# KiCad board board.kicad_pcb
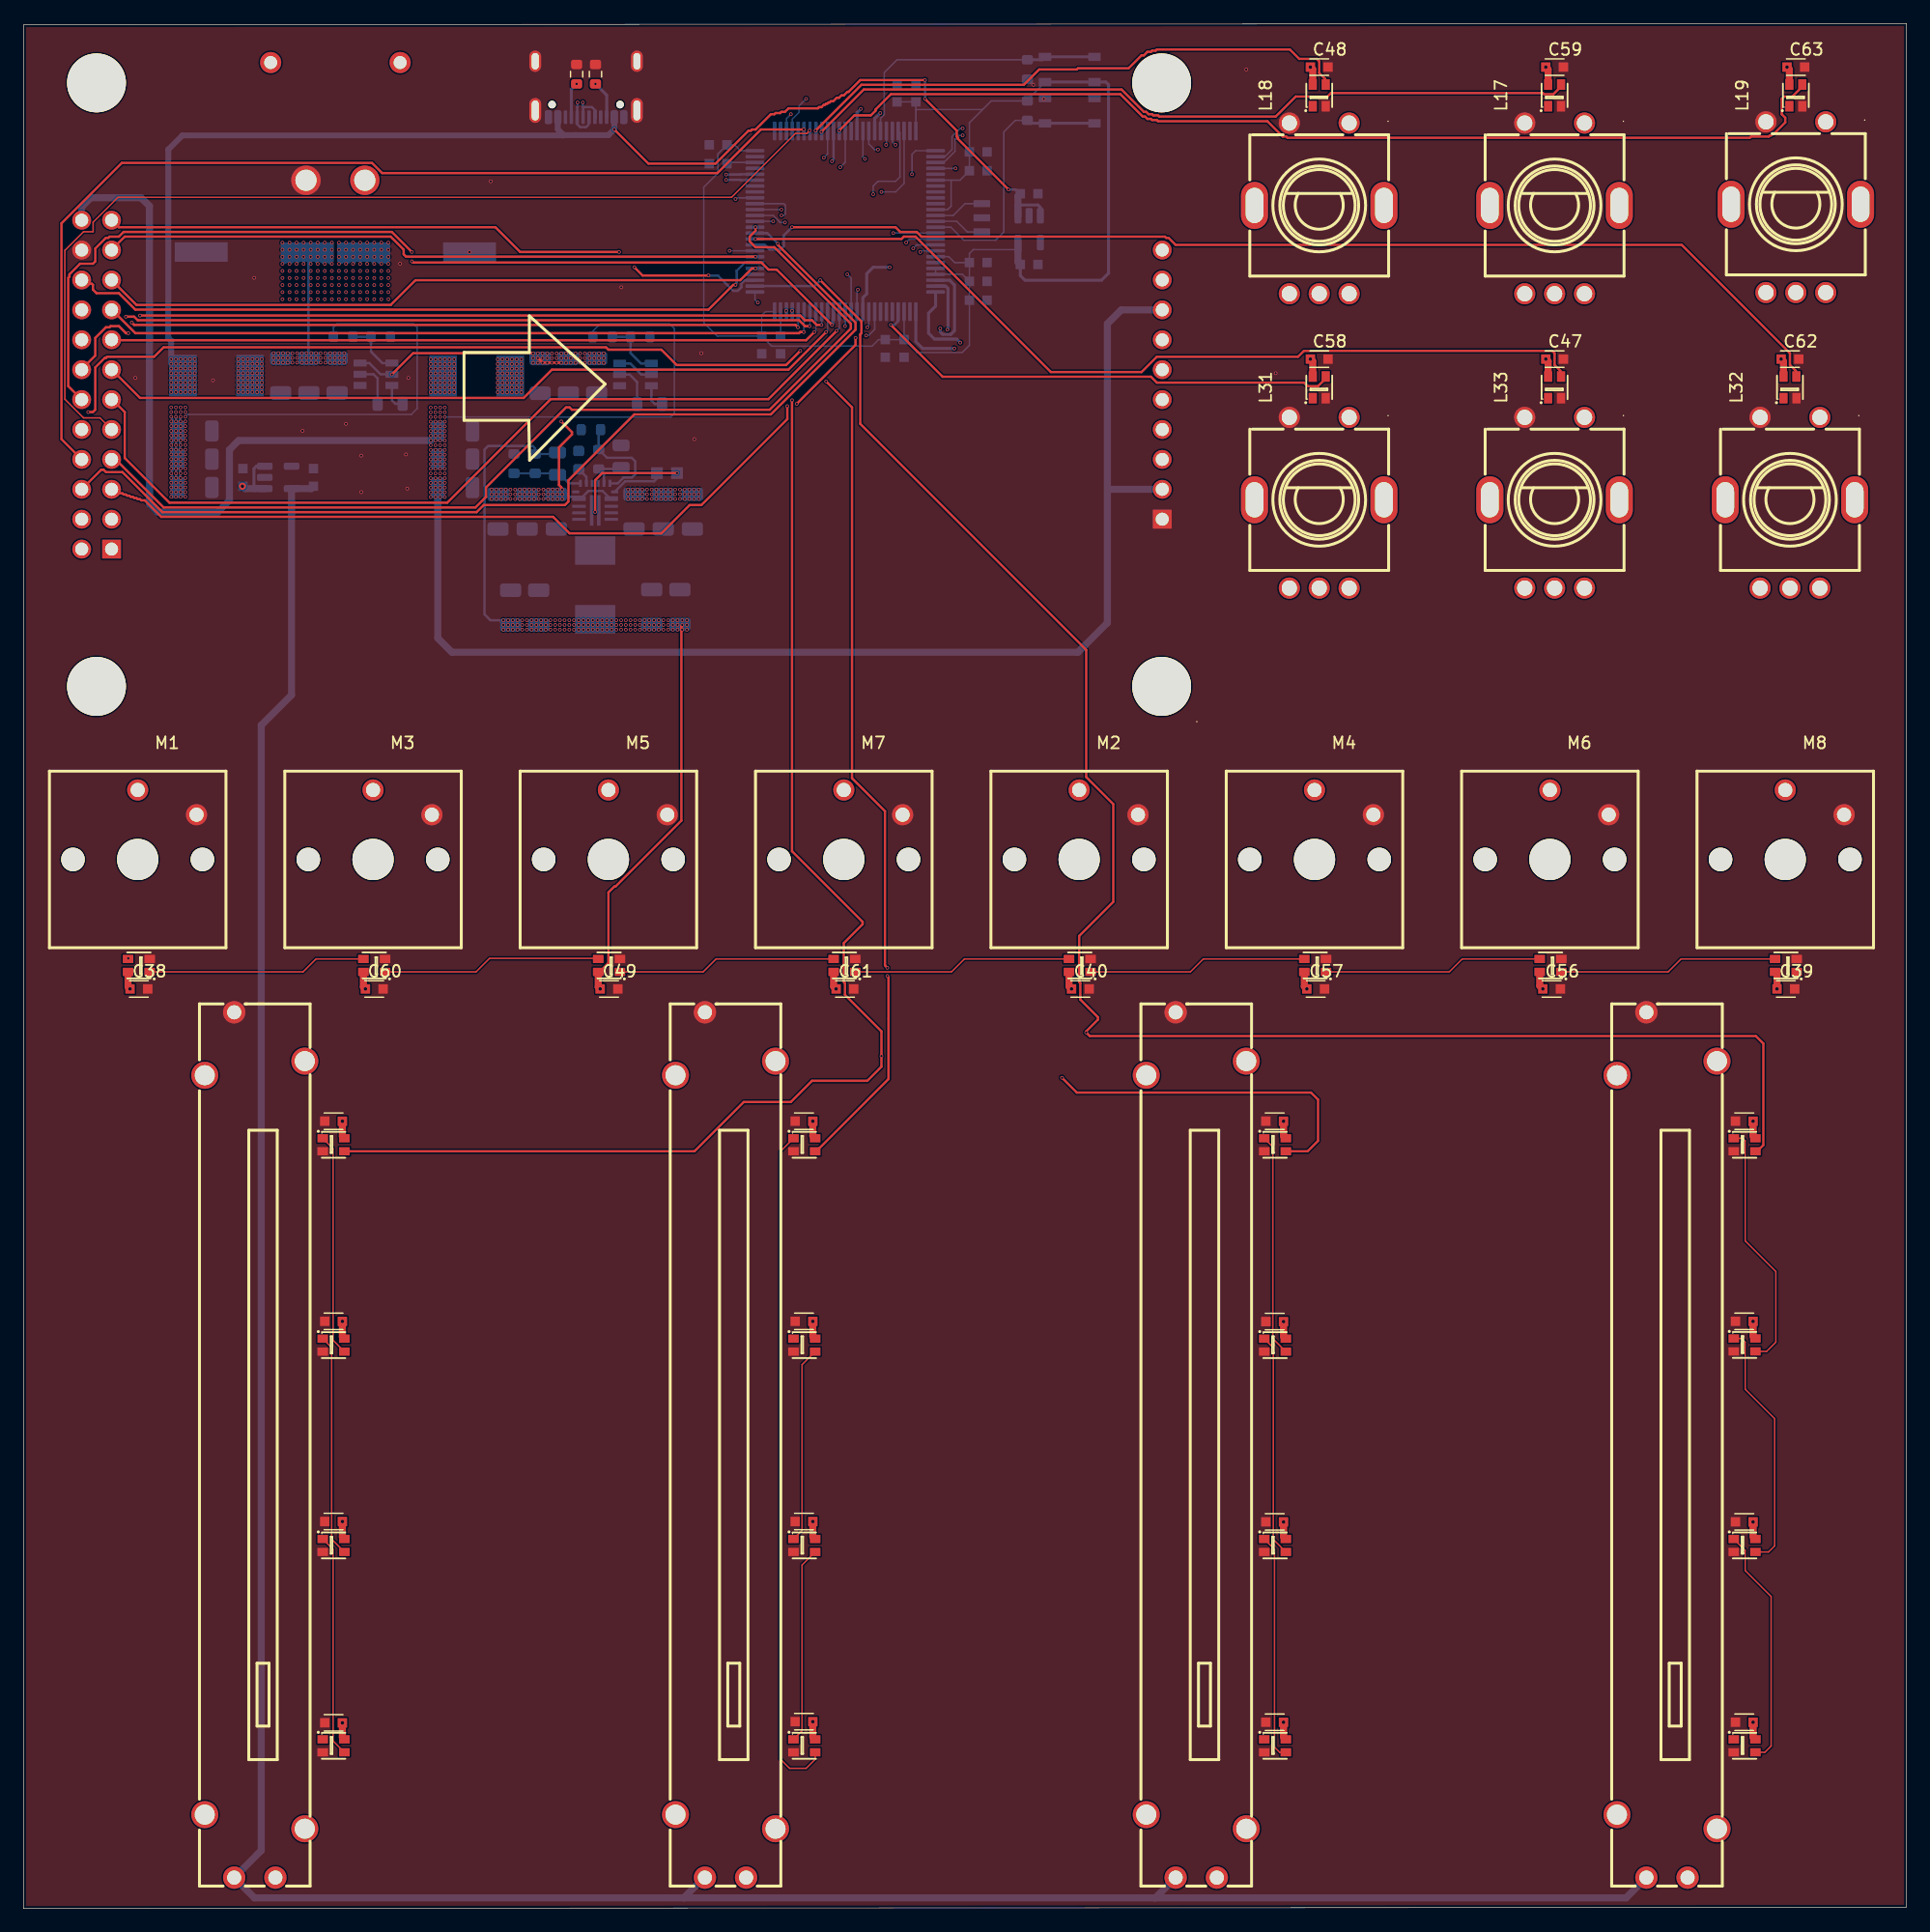
[diagram p0: board, top side]
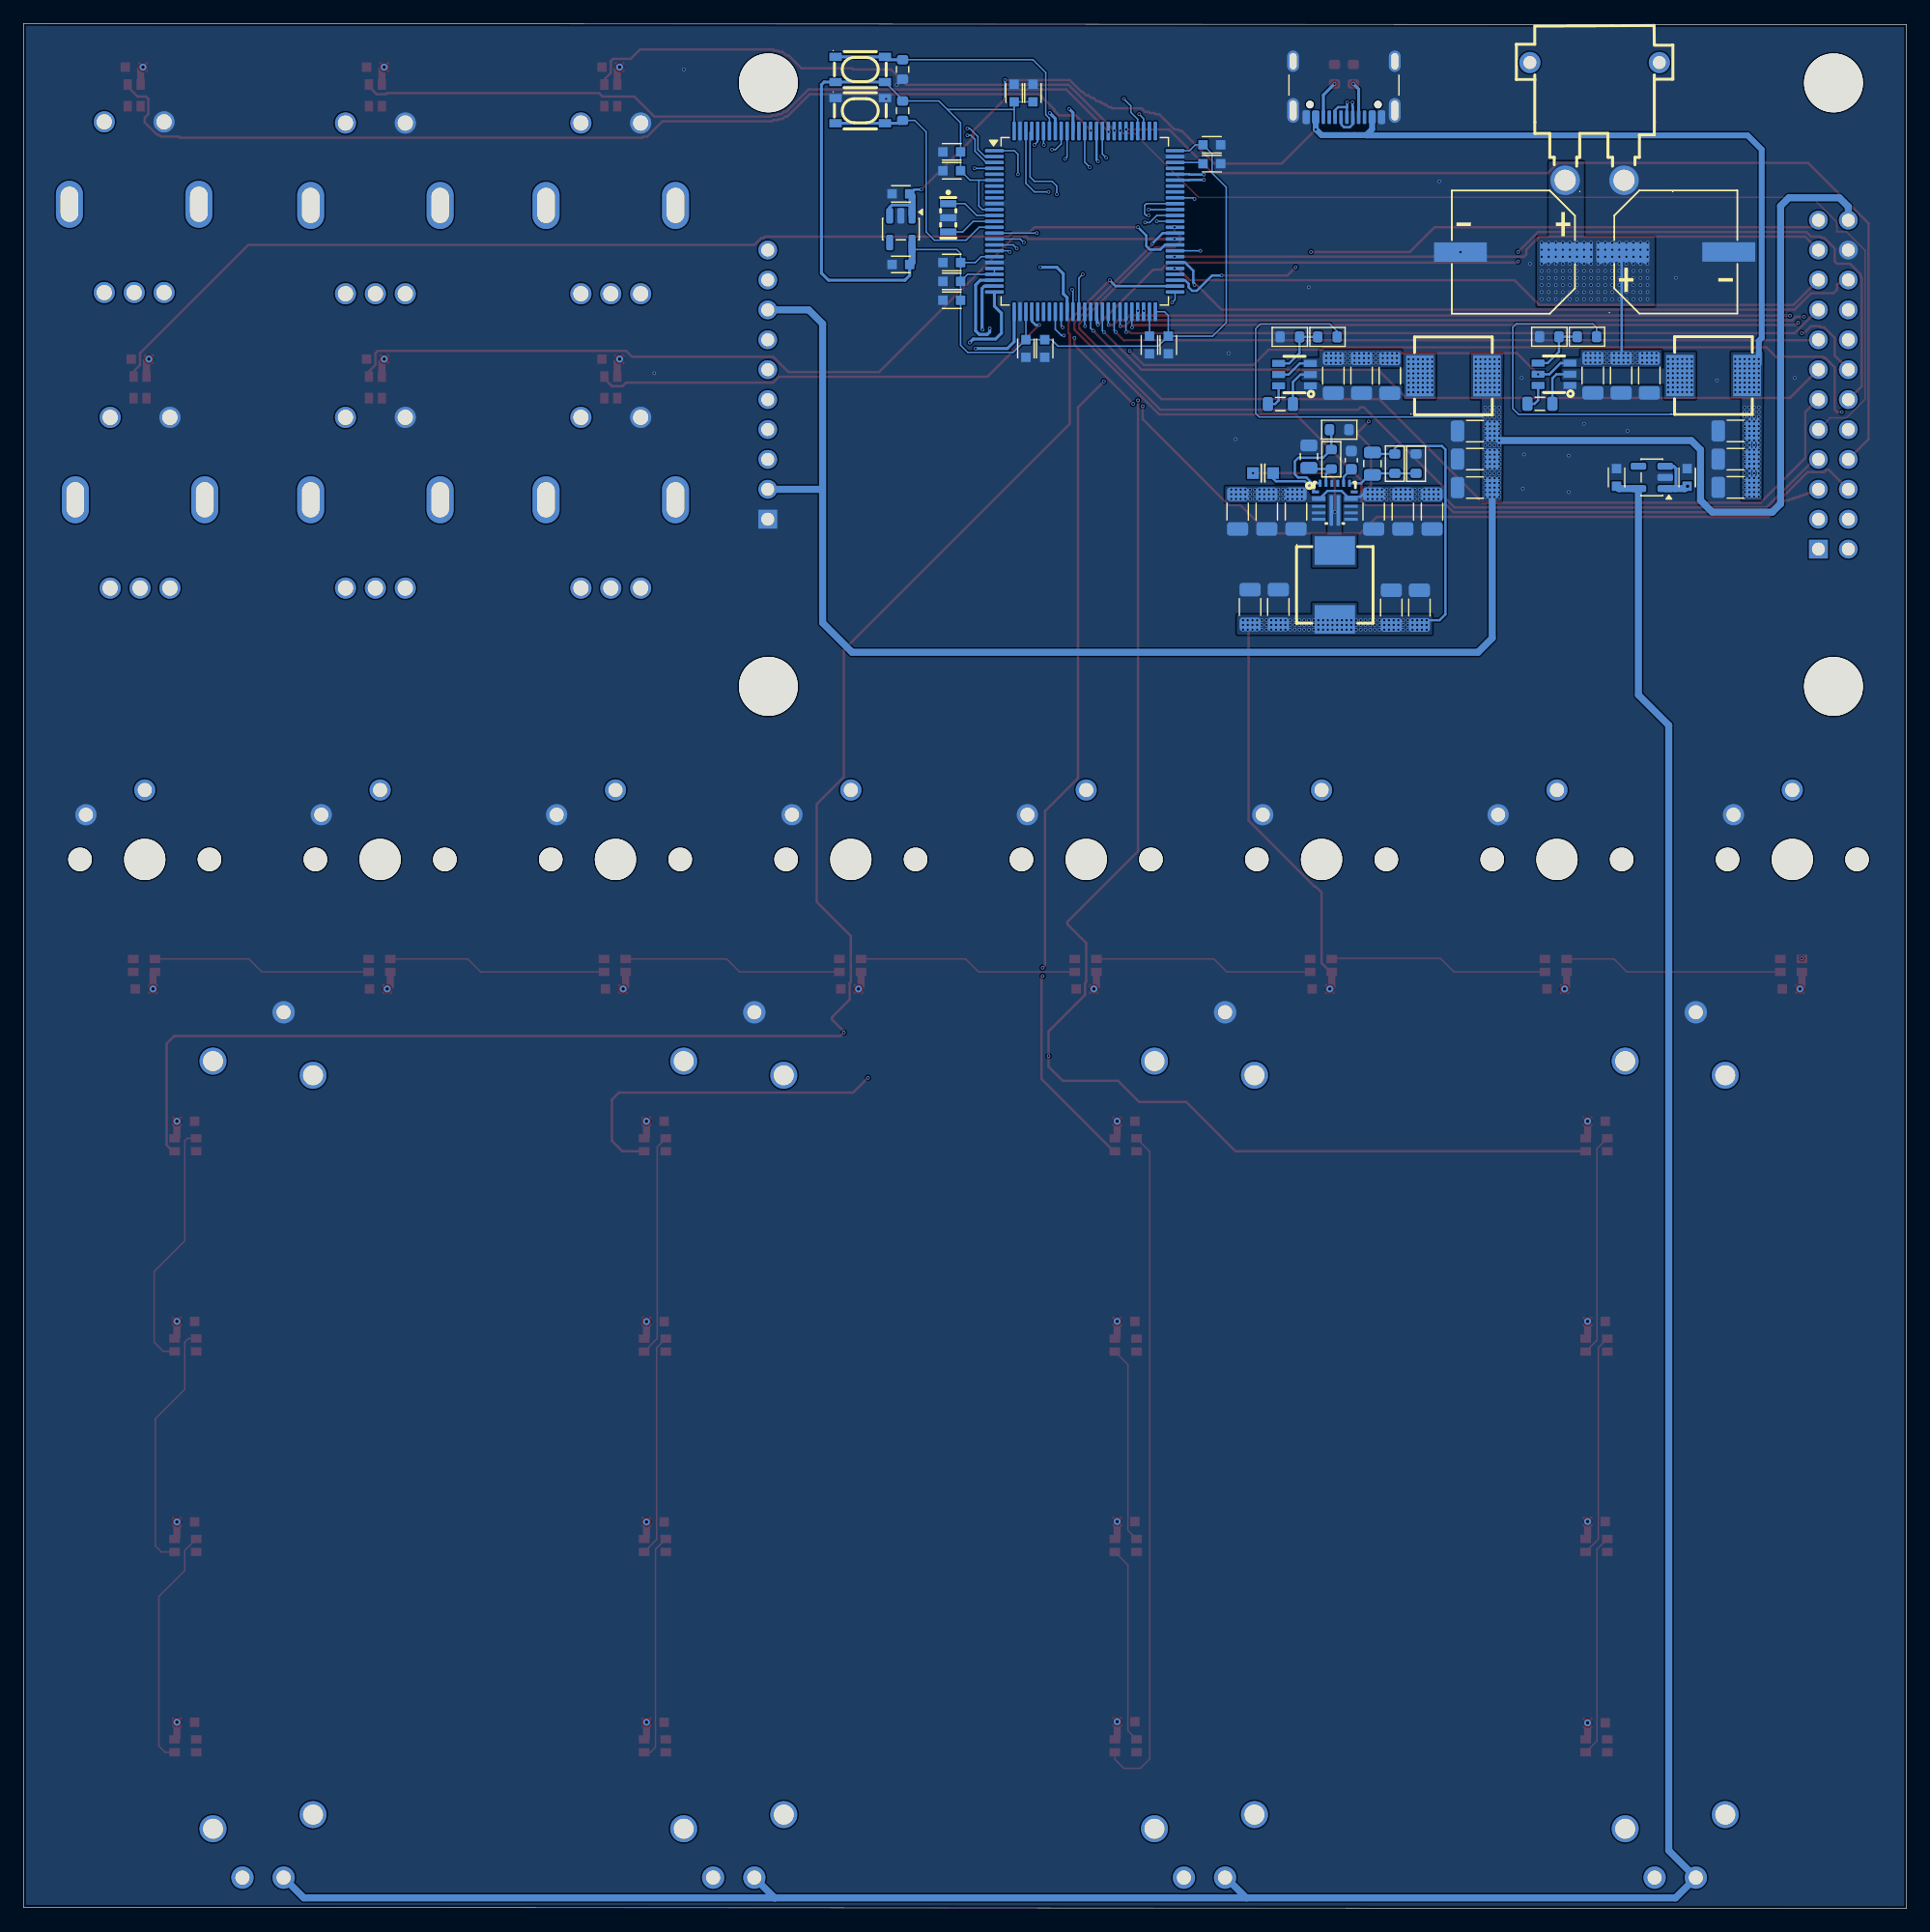
[diagram p1: board, bottom side, seen from below]

Outline 160 x 160.1 mm; copper layers: Top, In1.Cu, In2.Cu, In3.Cu, In4.Cu, Bottom. Coordinates in mm from the lower left corner of the outline.
Outline path: 0,160 160,160.1 160,0.1 0,0 0,160
Stack: Top 0.035mm / dielectric 0.1mm FR4 er 4.5 / In1.Cu 0.035mm / dielectric 0.535mm FR4 er 4.5 / In2.Cu 0.035mm / dielectric 0.1mm FR4 er 4.5 / In3.Cu 0.035mm / dielectric 0.535mm FR4 er 4.5 / In4.Cu 0.035mm / dielectric 0.1mm FR4 er 4.5 / Bottom 0.035mm

## Placement (name value [footprint] x y rotation side)
C1  1uF  [C_0603]  18.64 121.55 90 bottom
C2  1uF  [C_0603]  85.45 145.64 0 bottom
C3  1uF  [C_0603]  24.64 121.55 90 bottom
C4  1uF  [C_0603]  85.45 139.64 0 bottom
C5  RVT1C102M1010  [CAP-SMD_BD10.0-L10.3-W10.3-LS11.3-FD]  19.6 140.7 180 bottom
C8  RVT1C102M1010  [CAP-SMD_BD10.0-L10.3-W10.3-LS11.3-FD]  33.4 140.69 0 bottom
C9  2.2uF  [C_0603]  64.32 132.8 90 bottom
C10  2.2uF  [C_0603]  59.02 148.2 0 bottom
C11  100nF  [C_0603]  74.23 154.2 90 bottom
C12  1uF  [C_0603]  81.12 147.6 0 bottom
C13  100nF  [C_0603]  62.73 132.8 270 bottom
C14  1uF  [C_0603]  81.12 136.6 0 bottom
C15  100nF  [C_0603]  75.82 154.2 90 bottom
C16  100nF  [C_0603]  81.12 149.2 0 bottom
C17  100nF  [C_0603]  73.23 132.5 270 bottom
C18  100nF  [C_0603]  59.02 149.8 180 bottom
C19  100nF  [C_0603]  81.12 138.2 0 bottom
C20  100nF  [C_0603]  74.82 132.5 270 bottom
C21  100nF  [C_0603]  81.12 139.8 0 bottom
C22  100nF  [C_0603]  66.32 66.86 180 top
C23  100nF  [C_0603]  106.32 66.86 180 top
C24  100nF  [C_0603]  146.22 66.86 180 top
C25  100nF  [C_0603]  26.34 49.87 180 top
C26  100nF  [C_0603]  66.32 15.87 180 top
C27  100nF  [C_0603]  106.32 49.85 180 top
C28  100nF  [C_0603]  146.22 49.87 180 top
C29  100nF  [C_0603]  26.34 66.86 180 top
C30  100nF  [C_0603]  66.32 32.87 180 top
C31  100nF  [C_0603]  106.32 32.83 180 top
C32  100nF  [C_0603]  146.22 32.83 180 top
C33  100nF  [C_0603]  26.34 32.87 180 top
C34  100nF  [C_0603]  66.32 49.87 180 top
C35  100nF  [C_0603]  106.32 15.81 180 top
C36  100nF  [C_0603]  146.22 15.81 180 top
C37  100nF  [C_0603]  26.34 15.76 180 top
C38  100nF  [C_0603]  9.8 78.1 0 top
C39  100nF  [C_0603]  149.75 78.1 0 top
C40  100nF  [C_0603]  89.8 78.1 0 top
C47  100nF  [C_0603]  130.1 131.6 0 top
C48  100nF  [C_0603]  110.1 156.4 0 top
C49  100nF  [C_0603]  49.75 78.1 0 top
C56  100nF  [C_0603]  129.85 78.1 0 top
C57  100nF  [C_0603]  109.8 78.1 0 top
C58  100nF  [C_0603]  110.1 131.6 0 top
C59  100nF  [C_0603]  130.1 156.4 0 top
C60  100nF  [C_0603]  29.8 78.1 0 top
C61  100nF  [C_0603]  69.8 78.1 0 top
C62  100nF  [C_0603]  150.1 131.6 0 top
C63  100nF  [C_0603]  150.6 156.4 0 top
C64  22uF  [C_1206_3216Metric]  42.79 118.64 90 bottom
C65  22uF  [C_1206_3216Metric]  48.7 130.19 270 bottom
C66  22uF  [C_1206_3216Metric]  21.85 130.2 270 bottom
C67  22uF  [C_1206_3216Metric]  40.31 118.64 90 bottom
C68  22uF  [C_1206_3216Metric]  46.3 130.19 270 bottom
C69  22uF  [C_1206_3216Metric]  26.65 130.2 270 bottom
C70  22uF  [C_1206_3216Metric]  56.83 118.64 90 bottom
C71  0.047uF  [C_0603_1608Metric]  47.18 123.02 270 bottom
C72  22uF  [C_1206_3216Metric]  43.9 130.18 270 bottom
C73  22uF  [C_1206_3216Metric]  54.36 118.64 90 bottom
C74  22uF  [C_1206_3216Metric]  24.25 130.2 270 bottom
C75  22uF  [C_1206_3216Metric]  51.88 118.64 90 bottom
C76  22uF  [C_1206_3216Metric]  45.28 118.64 90 bottom
C77  47uF  [C_0805_2012Metric]  50.77 123.32 270 bottom
C78  0.1uF  [0805]  53.2 127.78 180 bottom
C79  0.1uF  [0805]  31.15 127.8 180 bottom
C80  22uF  [C_1206_3216Metric]  36.68 125.48 0 bottom
C81  0.1uF  [C_0603#2]  54.68 121.92 0 bottom
C82  22uF  [C_1206_3216Metric]  14.53 125.5 0 bottom
C83  22uF  [C_1206_3216Metric]  36.68 120.69 0 bottom
C84  22uF  [C_1206_3216Metric]  14.53 120.7 0 bottom
C85  56pF  [C_0805_2012Metric]  45.38 122.72 90 bottom
C86  22uF  [C_1206_3216Metric]  36.68 123.11 0 bottom
C87  22uF  [C_1206_3216Metric]  14.53 123.1 0 bottom
C88  47uF  [C_1206_3216Metric]  41.39 110.49 270 bottom
C89  47uF  [C_1206_3216Metric]  43.78 110.49 270 bottom
C90  47uF  [C_1206_3216Metric]  53.38 110.54 270 bottom
C91  47uF  [C_1206_3216Metric]  55.77 110.54 270 bottom
CN1  XT30PW-M  [CONN-TH_XT30PW-M]  26.5 151.79 0 bottom
EN1  EC11E15244G1  [SW-TH_EC11E15244G1]  110.1 144.4 0 top
EN2  EC11E15244G1  [SW-TH_EC11E15244G1]  130.1 144.4 0 top
EN3  EC11E15244G1  [SW-TH_EC11E15244G1]  150.6 144.5 0 top
EN4  EC11E15244G1  [SW-TH_EC11E15244G1]  110.1 119.4 0 top
EN5  EC11E15244G1  [SW-TH_EC11E15244G1]  130.1 119.4 0 top
EN6  EC11E15244G1  [SW-TH_EC11E15244G1]  150.1 119.4 0 top
F1  PTA6043-2015CPB103  [RES-ADJ-TH_PTA6043-2015DPB103]  19.65 39.37 90 top
F2  PTA6043-2015CPB103  [RES-ADJ-TH_PTA6043-2015DPB103]  59.65 39.37 90 top
F3  PTA6043-2015CPB103  [RES-ADJ-TH_PTA6043-2015DPB103]  99.65 39.37 90 top
F4  PTA6043-2015CPB103  [RES-ADJ-TH_PTA6043-2015DPB103]  139.65 39.37 90 top
J1  USB_C_Receptacle_USB2.0_16P  [USB_C_Receptacle_GCT_USB4105-xx-A_16P_TopMnt_Horizontal]  47.8 155.82 0 bottom
L1  WS2812B  [LED-SMD_4P-L2.0-W2.0-TL_WS2812B-2020]  26.34 64.86 0 top
L2  WS2812B  [LED-SMD_4P-L2.0-W2.0-TL_WS2812B-2020]  66.35 64.86 0 top
L3  WS2812B  [LED-SMD_4P-L2.0-W2.0-TL_WS2812B-2020]  106.35 64.86 0 top
L4  WS2812B  [LED-SMD_4P-L2.0-W2.0-TL_WS2812B-2020]  146.25 64.86 0 top
L5  WS2812B  [LED-SMD_4P-L2.0-W2.0-TL_WS2812B-2020]  26.34 47.85 0 top
L6  WS2812B  [LED-SMD_4P-L2.0-W2.0-TL_WS2812B-2020]  66.35 13.81 0 top
L7  WS2812B  [LED-SMD_4P-L2.0-W2.0-TL_WS2812B-2020]  106.35 47.85 0 top
L8  WS2812B  [LED-SMD_4P-L2.0-W2.0-TL_WS2812B-2020]  146.25 47.87 0 top
L9  WS2812B  [LED-SMD_4P-L2.0-W2.0-TL_WS2812B-2020]  26.34 30.83 0 top
L10  WS2812B  [LED-SMD_4P-L2.0-W2.0-TL_WS2812B-2020]  66.35 30.83 0 top
L11  WS2812B  [LED-SMD_4P-L2.0-W2.0-TL_WS2812B-2020]  106.35 30.83 0 top
L12  WS2812B  [LED-SMD_4P-L2.0-W2.0-TL_WS2812B-2020]  146.25 30.83 0 top
L13  WS2812B  [LED-SMD_4P-L2.0-W2.0-TL_WS2812B-2020]  26.34 13.81 0 top
L14  WS2812B  [LED-SMD_4P-L2.0-W2.0-TL_WS2812B-2020]  66.35 47.85 0 top
L15  WS2812B  [LED-SMD_4P-L2.0-W2.0-TL_WS2812B-2020]  106.35 13.81 0 top
L16  WS2812B  [LED-SMD_4P-L2.0-W2.0-TL_WS2812B-2020]  146.25 13.81 0 top
L17  WS2812B  [LED-SMD_4P-L2.0-W2.0-TL_WS2812B-2020]  130.1 154 90 top
L18  WS2812B  [LED-SMD_4P-L2.0-W2.0-TL_WS2812B-2020]  110.1 154 90 top
L19  WS2812B  [LED-SMD_4P-L2.0-W2.0-TL_WS2812B-2020]  150.6 154 90 top
L20  WS2812B  [LED-SMD_4P-L2.0-W2.0-TL_WS2812B-2020]  9.8 80.1 180 top
L24  WS2812B  [LED-SMD_4P-L2.0-W2.0-TL_WS2812B-2020]  29.8 80.1 180 top
L28  WS2812B  [LED-SMD_4P-L2.0-W2.0-TL_WS2812B-2020]  49.75 80.1 180 top
L29  WS2812B  [LED-SMD_4P-L2.0-W2.0-TL_WS2812B-2020]  69.75 80.1 180 top
L30  WS2812B  [LED-SMD_4P-L2.0-W2.0-TL_WS2812B-2020]  89.75 80.1 180 top
L31  WS2812B  [LED-SMD_4P-L2.0-W2.0-TL_WS2812B-2020]  110.1 129.2 90 top
L32  WS2812B  [LED-SMD_4P-L2.0-W2.0-TL_WS2812B-2020]  150.1 129.2 90 top
L33  WS2812B  [LED-SMD_4P-L2.0-W2.0-TL_WS2812B-2020]  130.1 129.2 90 top
L34  WS2812B  [LED-SMD_4P-L2.0-W2.0-TL_WS2812B-2020]  109.75 80.1 180 top
L38  WS2812B  [LED-SMD_4P-L2.0-W2.0-TL_WS2812B-2020]  129.75 80.1 180 top
L42  WS2812B  [LED-SMD_4P-L2.0-W2.0-TL_WS2812B-2020]  149.75 80.1 180 top
L43  IHLP2525CZER2R2M01  [IND-SMD_L6.5-W6.5_IHLP-2525]  48.57 112.42 270 bottom
M1  CPG151101D212  [KEY-TH_CPG135001D0X]  12.2 93.95 0 top
M2  CPG151101D212  [KEY-TH_CPG135001D0X]  92.2 93.95 0 top
M3  CPG151101D212  [KEY-TH_CPG135001D0X]  32.2 93.95 0 top
M4  CPG151101D212  [KEY-TH_CPG135001D0X]  112.2 93.95 0 top
M5  CPG151101D212  [KEY-TH_CPG135001D0X]  52.2 93.95 0 top
M6  CPG151101D212  [KEY-TH_CPG135001D0X]  132.2 93.95 0 top
M7  CPG151101D212  [KEY-TH_CPG135001D0X]  72.2 93.95 0 top
M8  CPG151101D212  [KEY-TH_CPG135001D0X]  152.2 93.95 0 top
R1  5.1k  [R_0603_1608Metric]  47 155.8 270 top
R2  5.1k  [R_0603_1608Metric]  48.6 155.8 270 top
R3  10k  [R_0603_1608Metric]  85.3 152.7 90 bottom
R4  10k  [R_0603_1608Metric]  85.3 156.2 270 bottom
R5  49.9k  [R_0603_1608Metric]  48.2 125.6 180 bottom
R6  52.3k  [R_0603_1608Metric]  48.88 123.09 90 bottom
R7  10k  [R_0603_1608Metric]  41.68 122.72 270 bottom
R8  10k  [R_0603_1608Metric]  43.47 122.72 270 bottom
R9  33.2k  [R_0603_1608Metric]  49.2 133.49 180 bottom
R10  10k  [R_0603_1608Metric]  52.4 133.49 180 bottom
R11  54.9k  [R_0603_1608Metric]  27.15 133.5 180 bottom
R12  10k  [R_0603_1608Metric]  30.35 133.5 180 bottom
SW1  SKRPACE010  [KEY-SMD_4P-L4.2-W3.2-P2.20-LS4.6]  88.9 152.7 180 bottom
SW2  SKRPACE010  [KEY-SMD_4P-L4.2-W3.2-P2.20-LS4.6]  88.9 156.2 180 bottom
U1  MIC5219-3.3YM5  [SOT-23-5]  21.64 121.55 0 bottom
U2  MIC5219-3.3YM5  [SOT-23-5]  85.45 142.64 270 bottom
U3  STM32F407VETx  [LQFP-100_14x14mm_P0.5mm]  69.82 143.3 180 bottom
U4  HS35B01A  [LCD-TH_L96.5-W57.3_HS35B01A]  50.85 129.43 90 top
U5  TPS562200DDCR  [SOT-23-6_L2.9-W1.6-P0.95-LS2.8-BR]  52 130.28 180 bottom
U6  TPS562200DDCR  [SOT-23-6_L2.9-W1.6-P0.95-LS2.8-BR]  29.95 130.31 180 bottom
U7  TPS568215RNNR  [VQFN-HR-18_L3.5-W3.5-P0.55-BL_TPS56C215RNNR]  48.57 119.52 270 bottom
U8  CYA0630-4.7UH  [IND-SMD_L7.2-W6.6_GPSR07X0]  38.5 130.18 180 bottom
U9  CYA0630-4.7UH  [IND-SMD_L7.2-W6.6_GPSR07X0]  16.4 130.2 180 bottom
X1  CSTNE8M00G550000R0  [OSC-SMD_3P-L3.2-W1.3-P1.20-L]  81.43 143.6 270 bottom

## Library data of the parts
C1-C4 C9-C40 C47-C49 C56-C63 C78 C79 = -: Datasheet: https://www.yageo.com/upload/media/product/productsearch/datasheet/mlcc/UPY-GP_NP0_16V-to-50V_18.pdf; Description: Unpolarized capacitor, SMD, 1206; ki_fp_filters: *C*
C5 C8 = -: Datasheet: https://lcsc.com/product-detail/Aluminum-Electrolytic-Capacitors-SMD_1000uF-16V-20_C72470.html; Description: 1000uF 16V ±20%; LCSC Part: C72470; Manufacturer: ROQANG(容强)
C64 C67 C70 C71 C73 C75-C77 C85 C88-C91 = -: Description: SMD 0805 MLCC capacitor, Alternate KiCad Library; KiLib_Generator: SMD_2terminal_chip_molded; ki_fp_filters: C_*
C65 C66 C68 C69 C72 C74 C80 C82-C84 C86 C87 = -: Datasheet: https://www.yageo.com/upload/media/product/productsearch/datasheet/mlcc/UPY-GP_NP0_16V-to-50V_18.pdf; Description: Unpolarized capacitor, SMD, 1206; KiLib_Generator: SMD_2terminal_chip_molded; ki_fp_filters: *C*
C81 = -: Description: SMD 0805 MLCC capacitor, Alternate KiCad Library; ki_fp_filters: C_*
CN1 = -: Datasheet: https://lcsc.com/product-detail/New-Arrivals_Changzhou-Amass-Elec-XT30PW-MMale-head_C431092.html; LCSC Part: C431092; Manufacturer: AMASS(艾迈斯); MPN: XT30PW-M30.G.Y
EN1-EN6 = -: Datasheet: https://lcsc.com/product-detail/Others_ALPS-Electric-EC11E15244G1_C370970.html; LCSC Part: C370970; Manufacturer: ALPSALPINE(阿尔卑斯阿尔派)
F1-F4 = -: Datasheet: https://www.lcsc.com/datasheet/C17203852.pdf; LCSC Part: C17203852; Manufacturer: BOURNS
J1 = -: Datasheet: https://www.usb.org/sites/default/files/documents/usb_type-c.zip; Description: USB 2.0-only 16P Type-C Receptacle connector; ki_fp_filters: USB*C*Receptacle*
L1-L20 L24 L28-L34 L38 L42 = -: Datasheet: https://lcsc.com/product-detail/Light-Emitting-Diodes-LED_Worldsemi-WS2812B-2020_C965555.html; LCSC Part: C965555; Manufacturer: worldsemi; MPN: WS2812B-2020
L43 = -: Datasheet: https://lcsc.com/product-detail/Inductors-SMD_Vishay-Intertech-IHLP2525CZER2R2M01_C540967.html; LCSC Part: C540967; Manufacturer: VISHAY(威世)
M1-M8 = -: Datasheet: https://lcsc.com/product-detail/Tactile-Switches_Kailh-CPG151101D212_C400234.html; LCSC Part: C400234; Manufacturer: Kailh(凯华)
R1 R2 = -: Datasheet: https://www.vishay.com/docs/20035/dcrcwe3.pdf; Description: Resistor; KiLib_Generator: SMD_2terminal_chip_molded; PROD_ID: RES-07856; ki_fp_filters: R_*
R3 R4 = -: Description: SMD 0603 Chip Resistor, US Symbol, Alternate KiCad Library; KiLib_Generator: SMD_2terminal_chip_molded; ki_fp_filters: R_*
R5-R12 = -: Description: SMD 0603 Chip Resistor, US Symbol, Alternate KiCad Library; ki_fp_filters: R_*
SW1 SW2 = -: Datasheet: https://lcsc.com/product-detail/Tactile-Switches_ALPS_SKRPACE010_SKRPACE010_C139797.html; LCSC Part: C139797; Manufacturer: ALPSALPINE(阿尔卑斯阿尔派)
U1 U2 = -: Datasheet: http://ww1.microchip.com/downloads/en/DeviceDoc/MIC5219-500mA-Peak-Output-LDO-Regulator-DS20006021A.pdf; Description: 500mA low dropout linear regulator, fixed 3.3V output, SOT-23-5; KiLib_Generator: package/gullwing; ki_fp_filters: SOT?23*
U3 = -: Datasheet: https://www.st.com/resource/en/datasheet/stm32f407ve.pdf; Description: STMicroelectronics Arm Cortex-M4 MCU, 512KB flash, 192KB RAM, 168 MHz, 1.8-3.6V, 82 GPIO, LQFP100; KiLib_Generator: package/gullwing; ki_fp_filters: LQFP*14x14mm*P0.5mm*
U4 = -: Datasheet: https://www.lcsc.com/datasheet/C19632787.pdf; LCSC Part: C19632787; Manufacturer: HS(汉昇)
U5 U6 = -: Datasheet: https://lcsc.com/product-detail/DC-DC-Converters_TI_TPS562200DDCR_TPS562200DDCR_C49757.html; LCSC Part: C49757; Manufacturer: TI(德州仪器)
U7 = -: Datasheet: https://www.lcsc.com/datasheet/C473367.pdf; LCSC Part: C473367; Manufacturer: TI(德州仪器)
U8 U9 = -: Datasheet: https://www.lcsc.com/datasheet/C5189748.pdf; LCSC Part: C5189748; Manufacturer: SHOU HAN(首韩)
X1 = -: Datasheet: https://www.lcsc.com/datasheet/C341522.pdf; LCSC Part: C341522; Manufacturer: muRata(村田)

## Footprints (pads in the part's own frame, mm; a bottom-side part is the same pattern mirrored in y, then rotated)
0805
  rrect 0.875x1.2 smd: 1(-1.062,0) 2(1.062,0)
C_0603
  rect 0.8x0.8 smd: 1(-0.75,0) 2(0.75,0)
C_0603#2
  rect 1x1 smd: 1(-0.85,0) 2(0.85,0)
C_0603_1608Metric
  rrect 0.9x0.95 smd: 1(-0.775,0) 2(0.775,0)
C_0805_2012Metric
  rrect 1x1.45 smd: 1(-0.95,0) 2(0.95,0)
C_1206_3216Metric
  rrect 1.15x1.8 smd: 1(-1.475,0) 2(1.475,0)
CAP-SMD_BD10.0-L10.3-W10.3-LS11.3-FD
  rect 4.5x1.65 smd: 1(-4.5,0) 2(4.5,0)
CONN-TH_XT30PW-M
  round 2.5 hole 1.8: 1(-2.5,5) 2(2.5,5)
  round 1.8 hole 1.1: 3(5.5,-5) 4(-5.5,-5)
IND-SMD_L6.5-W6.5_IHLP-2525
  rect 2.42x3.43 smd: 1(-2.92,0) 2(2.92,0)
IND-SMD_L7.2-W6.6_GPSR07X0
  rect 2.35x3.5 smd: 1(-2.85,0) 2(2.85,0)
KEY-SMD_4P-L4.2-W3.2-P2.20-LS4.6
  rect 1.05x0.7 smd: 1(-2.1,1.07) 2(2.1,1.07) 3(-2.1,-1.07) 4(2.1,-1.07)
KEY-TH_CPG135001D0X
  round 2 hole 2: (-8,-4.85) (3,-4.85)
  round 3.5 hole 3.5: (-2.5,-4.85)
  round 1.8 hole 1.2: 1(-2.5,1.05) 2(2.5,-1.05)
LCD-TH_L96.5-W57.3_HS35B01A
  round 5 hole 5: (-25.63,44.65) (-25.63,-45.86) (25.63,44.65) (25.63,-45.86)
  rect 1.6x1.6 hole 1.1: 1(-13.97,43.37) 25(-11.43,-45.91)
  round 1.6 hole 1.1: 2(-13.97,45.91) 3(-11.43,43.37) 4(-11.43,45.91) 5(-8.89,43.37) 6(-8.89,45.91) 7(-6.35,43.37) 8(-6.35,45.91) 9(-3.81,43.37) 10(-3.81,45.91) 11(-1.27,43.37) 12(-1.27,45.91) 13(1.27,43.37) 14(1.27,45.91) 15(3.81,43.37) 16(3.81,45.91) 17(6.35,43.37) 18(6.35,45.91) 19(8.89,43.37) 20(8.89,45.91) 21(11.43,43.37) 22(11.43,45.91) 23(13.97,43.37) 24(13.97,45.91) 26(-8.89,-45.91) 27(-6.35,-45.91) 28(-3.81,-45.91) 29(-1.27,-45.91) 30(1.27,-45.91) 31(3.81,-45.91) 32(6.35,-45.91) 33(8.89,-45.91) 34(11.43,-45.91)
LED-SMD_4P-L2.0-W2.0-TL_WS2812B-2020
  rect 0.9x0.7 smd: 1(-0.92,0.55) 2(-0.92,-0.55) 3(0.92,-0.55) 4(0.92,0.55)
LQFP-100_14x14mm_P0.5mm
  rrect 1.6x0.3 smd: 1(-7.675,6) 2(-7.675,5.5) 3(-7.675,5) 4(-7.675,4.5) 5(-7.675,4) 6(-7.675,3.5) 7(-7.675,3) 8(-7.675,2.5) 9(-7.675,2) 10(-7.675,1.5) 11(-7.675,1) 12(-7.675,0.5) 13(-7.675,0) 14(-7.675,-0.5) 15(-7.675,-1) 16(-7.675,-1.5) 17(-7.675,-2) 18(-7.675,-2.5) 19(-7.675,-3) 20(-7.675,-3.5) 21(-7.675,-4) 22(-7.675,-4.5) 23(-7.675,-5) 24(-7.675,-5.5) 25(-7.675,-6) 51(7.675,-6) 52(7.675,-5.5) 53(7.675,-5) 54(7.675,-4.5) 55(7.675,-4) 56(7.675,-3.5) 57(7.675,-3) 58(7.675,-2.5) 59(7.675,-2) 60(7.675,-1.5) 61(7.675,-1) 62(7.675,-0.5) 63(7.675,0) 64(7.675,0.5) 65(7.675,1) 66(7.675,1.5) 67(7.675,2) 68(7.675,2.5) 69(7.675,3) 70(7.675,3.5) 71(7.675,4) 72(7.675,4.5) 73(7.675,5) 74(7.675,5.5) 75(7.675,6)
  rrect 0.3x1.6 smd: 26(-6,-7.675) 27(-5.5,-7.675) 28(-5,-7.675) 29(-4.5,-7.675) 30(-4,-7.675) 31(-3.5,-7.675) 32(-3,-7.675) 33(-2.5,-7.675) 34(-2,-7.675) 35(-1.5,-7.675) 36(-1,-7.675) 37(-0.5,-7.675) 38(0,-7.675) 39(0.5,-7.675) 40(1,-7.675) 41(1.5,-7.675) 42(2,-7.675) 43(2.5,-7.675) 44(3,-7.675) 45(3.5,-7.675) 46(4,-7.675) 47(4.5,-7.675) 48(5,-7.675) 49(5.5,-7.675) 50(6,-7.675) 76(6,7.675) 77(5.5,7.675) 78(5,7.675) 79(4.5,7.675) 80(4,7.675) 81(3.5,7.675) 82(3,7.675) 83(2.5,7.675) 84(2,7.675) 85(1.5,7.675) 86(1,7.675) 87(0.5,7.675) 88(0,7.675) 89(-0.5,7.675) 90(-1,7.675) 91(-1.5,7.675) 92(-2,7.675) 93(-2.5,7.675) 94(-3,7.675) 95(-3.5,7.675) 96(-4,7.675) 97(-4.5,7.675) 98(-5,7.675) 99(-5.5,7.675) 100(-6,7.675)
OSC-SMD_3P-L3.2-W1.3-P1.20-L
  rect 0.6x1.4 smd: 1(-1.2,0) 2(0,0) 3(1.2,0)
R_0603_1608Metric
  rrect 0.8x0.95 smd: 1(-0.825,0) 2(0.825,0)
RES-ADJ-TH_PTA6043-2015DPB103
  round 1.9 hole 1.2: 1(-36.75,1.75) 2(-36.75,-1.75) 3(36.75,1.75)
  round 2.3 hole 1.7: 4(-31.4,4.25) 5(31.4,4.25) 6(-32.6,-4.25) 7(32.6,-4.25)
SOT-23-5
  rrect 1.325x0.6 smd: 1(-1.137,0.95) 2(-1.137,0) 3(-1.137,-0.95) 4(1.137,-0.95) 5(1.137,0.95)
SOT-23-6_L2.9-W1.6-P0.95-LS2.8-BR
  rect 1.1x0.6 smd: 1(1.35,-0.95) 2(1.35,0) 3(1.35,0.95) 4(-1.35,0.95) 5(-1.35,0) 6(-1.35,-0.95)
SW-TH_EC11E15244G1
  oval 2.3x4 hole 1.5x3: 6(5.5,0.25) 7(-5.5,0.25)
  round 1.8 hole 1.3: A(-2.54,-7.25) B(2.54,-7.25) C(0,-7.25) D(-2.54,7.25) E(2.54,7.25)
USB_C_Receptacle_GCT_USB4105-xx-A_16P_TopMnt_Horizontal
  round 0.65 hole 0.65 unplated: (-2.89,2.605) (2.89,2.605)
  rrect 0.6x1.15 smd: A1(-3.2,3.68) A4(-2.4,3.68) A9(2.4,3.68) A12(3.2,3.68) B1(3.2,3.68) B4(2.4,3.68) B9(-2.4,3.68) B12(-3.2,3.68)
  rrect 0.3x1.15 smd: A5(-1.25,3.68) A6(-0.25,3.68) A7(0.25,3.68) A8(1.25,3.68) B5(1.75,3.68) B6(0.75,3.68) B7(-0.75,3.68) B8(-1.75,3.68)
  oval 1x1.8 hole 0.6x1.4: SH(-4.32,-1.075) SH(4.32,-1.075)
  oval 1x2.1 hole 0.6x1.7: SH(-4.32,3.105) SH(4.32,3.105)
VQFN-HR-18_L3.5-W3.5-P0.55-BL_TPS56C215RNNR
  rect 0.25x0.6 smd: 1(-0.8,-1.65) 12(-0.8,1.65)
  rect 0.4x1.15 smd: 2(-0.23,-1.37) 11(-0.23,1.37)
  rect 0.25x1.15 smd: 3(0.42,-1.37) 4(0.98,-1.37) 5(1.53,-1.37) 8(1.53,1.37) 9(0.98,1.37) 10(0.42,1.37)
  rect 2.6x0.3 smd: 6(0.77,-0.3) 7(0.77,0.3)
  rect 0.6x0.25 smd: 13(-1.53,1.25) 14(-1.53,0.75) 15(-1.53,0.25) 16(-1.53,-0.25) 17(-1.53,-0.75) 18(-1.53,-1.25)
